# Altium PCB PCB_Kasli.PCBDOC (part 10 of 14) (continued)
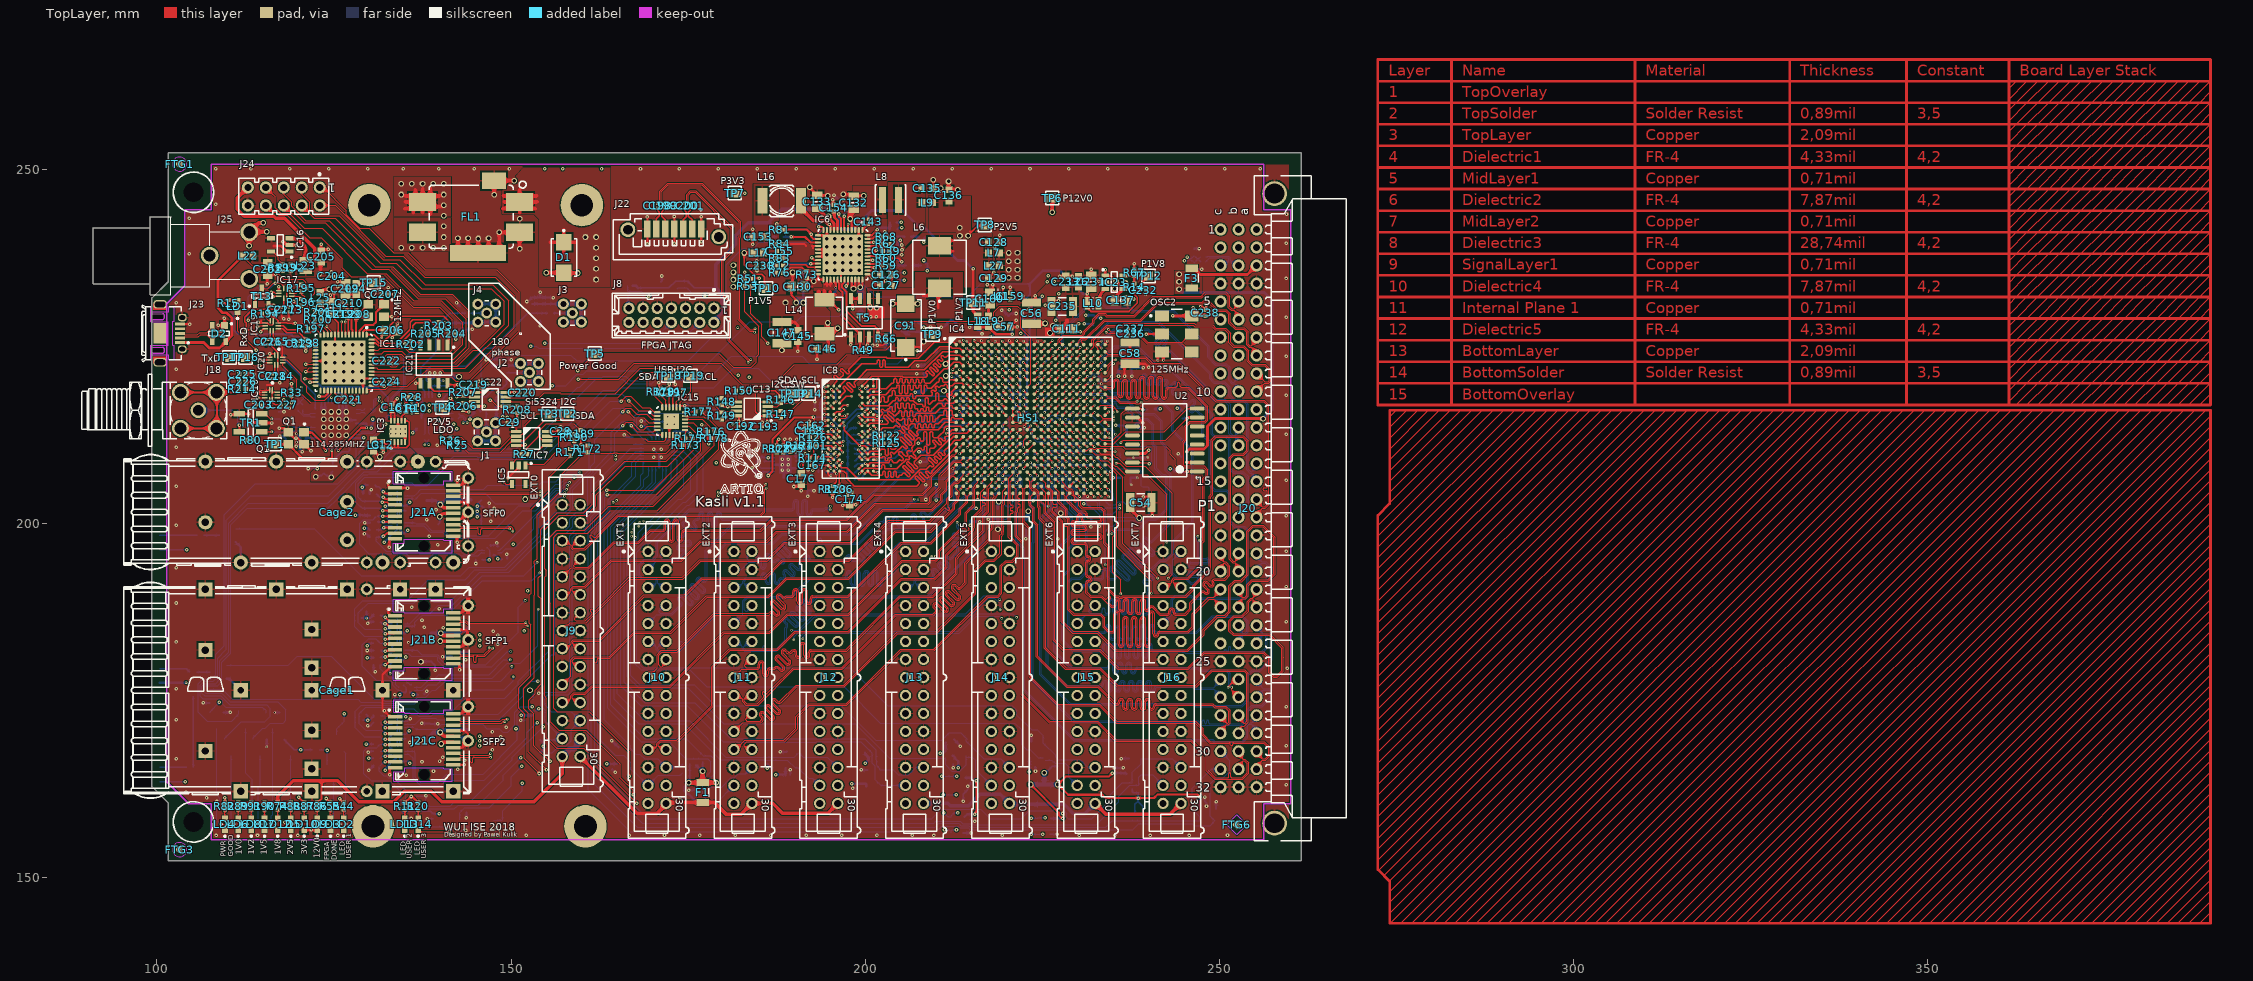
[diagram p0: TopLayer view]
## Nets (pads, with @x,y where several pads share a name; then routed paths per layer and width w, separated by ;. In a path a pad name is that pad's centre, name@x,y a point inside that pad or via, vN(x,y) a via of type N, cw(c..) or ccw(c..) an arc to the next point about the centre after c; other vN are vias at no path point) (continued)
  TopLayer w0.4: v1@117.863,239.837 IC16.2@118.309,239.391
  TopLayer w0.5: FL1.4@142.5,238.294 v3(142.5,240.325) ; FL1.4@143.925,238.294 v3(143.925,240.325) ; FL1.4@145.364,238.255 v3(145.364,240.286) ; FL1.4@146.034,238.925 FL1.4@146.825,238.925 ; FL1.4@146.825,238.294 FL1.4@146.825,238.925 ; v3(146.825,240.325) FL1.4@146.825,238.925 ; v3(147.614,246.486) FL1.4@147.614,248.455 v3(150.47,248.455) ; v3(151.214,238.864) FL1.4@151.214,241.155 v3(148.32,241.155) 148.32,239.12 148.125,238.925 FL1.4@146.825,238.925 ; v3(154.965,235.465) D1.2@157.448,235.465 ; D1.2@157.5,235.413 v3(159.439,235.413) ; v3(211.775,248.35) 211.775,247.241 C136.1@211.836,247.18 v3(213.095,247.18)
  BottomLayer w0.1: C96.1@218.694,200.672 219.922,200.672 220.175,200.925 R47.1@220.175,202.255 ; R48.1@219.65,204.03 219.65,202.78 R47.1@220.175,202.255 ; v2(220.828,203.302) 220.828,202.908 R47.1@220.175,202.255 ; R56.2@221.245,215.1 221.85,215.1 C120.1@222.012,215.263
  BottomLayer w0.11: IC14.25@170.137,210.487 IC14.25@170.675,209.95
  BottomLayer w0.125: C182A.1@141.143,201.669 C182A.1@141.143,201.694 ; C185C.1@141.8,169.85 143.469,169.85 Cage1.20@143.94,169.379 ; C35.1@164.2,165.4 C35.1@164.2,165.45 ; C52.1@166.5,233.625 166.5,232.85 C53.1@166.525,232.825 168.4,232.825 168.644,232.581 J8.11@168.644,230.438 ; 221.65,210.725 221.471,210.725 v2(221.361,210.835) 221.361,211.161 221.888,211.688 222.308,211.688 R54.2@222.895,212.275
  BottomLayer w0.15: IC13B.1@135.2,177.55 135.45,177.55 135.7,177.3 IC13B.3@136,177.3 ; 137.686,161.586 v1(137.986,161.586) IC13C.3@137.986,160.54
  BottomLayer w0.18: v1(165.975,212.55) 166.33,212.195 R152.1@167.275,212.195
  BottomLayer w0.2: R13.1@117.145,215.837 v1(117.938,215.837) ; C13.2@118.193,214.909 v1(119.009,214.909) ; v2@119.7,212.695 v2@119.7,212.717 ; v2(119.7,212.725) v2@119.7,212.717 ; v2@119.808,211.625 120.15,211.625 120.3,211.775 C25.1@120.3,212.117 v2@119.7,212.717 ; v1(121.341,207.817) C26.1@122.07,207.817 122.649,207.817 v1(122.656,207.81) v1@122.685,207.81 ; v1(129.75,171.475) 130.225,171.475 130.25,171.5 130.25,171.614 R212C.1@130.594,171.958 ; v1(129.85,167.75) 129.994,167.894 R213C.1@130.594,167.894 ; C186B.1@133.225,183.9 133.85,183.9 134,183.75 ; C188A.1@133.275,201.875 133.95,201.875 ; C188C.1@133.3,169.625 134,169.625 ; C190B.1@133.6,175.3 v1(133.6,175.9) ; IC12C.1@133.912,168.544 133.912,169.537 134,169.625 ; IC12B.1@133.912,182.768 133.912,183.662 134,183.75 ; IC12A.1@133.913,200.798 133.913,201.838 133.95,201.875 ; IC11C.2@134.3,172.125 134.321,172.104 IC11C.3@135.012,172.104 135.312,172.104 135.567,172.359 ; IC12C.2@134.312,168.594 134.312,169.563 134.25,169.625 ; IC12B.2@134.312,182.818 134.312,183.718 134.25,183.78 ; IC12A.2@134.313,200.848 134.313,201.862 134.3,201.875 ; C3.1@134.375,216.375 C3.1@134.375,216.4 v1(134.375,217.025) ; 134.8,178.3 136.1,178.3 ; C189B.1@134.83,183.78 134.25,183.78 ; C190C.1@134.9,158.45 134.95,158.4 v1(135.9,158.4) ; C189C.1@135.128,169.576 135.079,169.625 134.25,169.625 ; C189A.1@135.175,201.875 134.3,201.875 ; 136.525,161.55 137.575,161.55 ; C191B.1@137.65,175.9 v1(138.1,176.35) ; v1(138.15,158.35) C191C.1@139,158.35 ; v1(138.5,221.3) 138.5,220.746 C15.1@138.862,220.384 139.136,220.658 v1@139.136,221.119 ; C184C.1@138.525,171.825 C184C.1@138.6,171.75 ; v1(140,221.3) 139.975,221.275 139.975,220.9 139.846,220.771 C18.1@139.846,220.234 139.88,220.2 v2(140.4,220.2) ; R8.2@140.894,216.721 141.115,216.5 v1(141.75,216.5) ; C17.1@141.55,213.075 142,213.075 v1(142.35,213.425) ; v1(145,194.4) 145,194.95 C190A.1@145.05,195 ; C181A.1@146.908,202.184 v1(146.908,202.908) ; IC13A.1@147,196.95 147.35,196.95 IC13A.2@147.4,197 147.7,197 v1(148,197.3) ; T12.2@147.55,156.25 147.9,156.6 v1(147.9,157.1) R23.1@148.67,157.1 ; IC13A.3@148.1,196.7 v1@148.1,197.2 ; v1(148.325,220.35) 148.325,219.705 R18.2@148.33,219.7 ; v1(149.4,195.7) 149.4,195.15 C191A.1@149.55,195 ; v1(151.35,172.25) C42.1@152,172.25 ; D3.1@153.05,175.15 D3.1@153.05,175.25 ; D3.1@153.1,175.425 153.1,176 ; C35.1@164.2,165.4 v1(164.7,164.9) ; v1(168.4,214.525) 168.959,214.525 C196.1@169.042,214.442 ; R154.1@170.058,214.442 171.683,214.442 v5(172.075,214.05) ; v1(173.85,161.35) C36.1@174.5,161.35 ; v1(183.75,209.6) C172.1@184.525,209.6 v1(184.525,210.5) ; v1(184.025,207.925) C177.1@184.65,207.3 v1(184.65,206.7) ; C37.1@189.45,164.5 v1(189.45,165.25) ; v1(192.9,216.1) 192.9,216.6 192.925,216.625 C169.1@192.9,216.65 v1(192.9,217.25) ; v2(196.01,219.061) 196.01,219.058 C164.1@196.539,218.529 ; v1(198.25,162.65) C39.1@198.9,162.65 ; C165.1@200.743,216.843 v2(200.743,217.425) ; C166.1@201.325,218.7 v2@202.121,218.7 ; v2(201.649,209.049) 201.873,208.825 C171.1@202.4,208.825 203.025,208.825 v2(203.65,208.2) ; C170.1@202.35,212.75 v2@202.71,213.11 ; v2(211.625,213.325) 211.635,213.315 212.135,213.315 C84.1@212.15,213.3 ; v2(212.225,220.8) 212.425,220.8 C64.1@212.8,220.425 ; v1(212.45,165.55) C40.1@212.45,166.1 ; v1(213.85,160.85) D12.1@213.85,161.8 213.85,161.85 214.5,162.5 v1(214.5,162.95) C32.1@215,163.45 ; v2(214.372,211.815) 214.862,211.325 C88.1@215.025,211.325 ; v2@214.372,224.815 214.887,224.3 C115.1@214.975,224.3 ; v2(214.372,225.815) 214.372,225.753 214.725,225.4 C113.1@215.025,225.4 ; v2(215.372,208.815) 215.862,208.325 C90.1@216.025,208.325 ; v2(216.372,205.815) 216.585,205.815 C74.1@217.075,205.325 ; v2(216.372,221.815) 216.565,221.815 C125.1@217.05,222.3 ; v2(217.372,223.815) 217.623,223.815 C116.1@218.09,224.282 ; C123.1@218.05,220.3 218.05,220.225 218.411,219.864 v2(218.411,219.761) ; v2(218.372,213.815) 218.497,213.815 C105.1@219,214.318 ; v2(218.372,216.815) 218.585,216.815 C102.1@219.075,216.325 ; v2(218.375,218.775) 218.375,218.925 C83.1@218.725,219.275 ; C106.1@219.05,213.3 219.35,213 v2(219.35,212.815) ; C97.1@219.05,223.3 219.412,222.938 v2(219.412,222.775) ; C95.1@219.075,218.3 219.372,218.003 v2(219.372,217.815) ; C102.1@219.146,216.325 219.325,216.146 219.325,215.862 v2(219.372,215.815) ; C108.1@219.15,210.3 219.372,210.522 v2(219.372,210.815) ; v2(219.405,206.807) 219.423,206.825 C62.1@220.525,206.825 ; C112.1@220.025,225.325 220.05,225.325 220.15,225.425 220.15,225.65 v2@220.25,225.75 ; C100.1@220.05,220.325 220.372,220.003 v2(220.372,219.815) ; C124.1@220.05,222.3 220.05,221.972 v2(220.361,221.661) ; C104.1@220.051,219.304 220.436,218.919 220.411,218.894 v2(220.411,218.761) ; C103.1@220.198,212.293 220.35,212.141 220.35,211.837 v2(220.372,211.815) ; v2(220.336,209.835) 220.392,209.835 220.857,210.3 C107.1@221.025,210.3 ; C114.1@221.025,224.3 221.346,223.979 221.346,223.754 v2(221.375,223.725) ; C120.1@222.012,215.263 222.4,214.875 v2@222.4,214.775 ; C98.1@222.154,211.328 222.179,211.328 222.229,211.278 222.229,210.956 222.361,210.824 v2(222.361,210.81) ; C99.1@222.325,213.3 222.45,213.425 v2@222.45,213.757 ; v2(222.372,209.815) 222.407,209.85 C65.1@223.075,209.85 ; v2(222.372,216.815) v2@222.535,216.815 ; C121.1@222.875,217.025 222.665,216.815 v2@222.535,216.815 ; C122.1@222.9,216.45 v2@222.535,216.815 ; v1(224.05,165.05) C41.1@224.05,165.8 ; v2(224.35,219.8) 224.55,219.8 C117.1@224.85,220.1 ; v2(224.372,217.815) 224.657,218.1 224.95,218.1 C69.1@225.125,218.275 ; v2(224.372,221.815) 224.565,221.815 C73.1@224.875,222.125 ; v2(224.384,205.765) 224.885,205.765 C63.1@225.125,205.525 ; v2(225.35,215.75) 225.35,215.925 C55.1@225.725,216.3 ; v2(225.372,211.815) 225.372,211.972 C118.1@225.725,212.325 ; v2(225.372,222.815) C61.1@225.9,223.343 ; C119.1@225.7,213.375 225.775,213.45 225.775,213.775 226,214 ; D11.1@226.05,156.15 v1(227.15,156.15) ; 226.165,213.815 v2(226.372,213.815) ; C79.1@226.925,214.975 227.275,214.975 v2(227.45,214.8) ; C33.1@227.2,159.1 v1(227.9,159.1) ; 228.3,223.5 228.575,223.5 ; v2(228.325,214.75) 228.8,214.75 C70.1@228.85,214.7 ; v2@228.55,212.722 228.922,212.35 C78.1@229.025,212.35 ; 228.556,223.631 228.837,223.35 C68.1@228.975,223.35 ; 228.575,223.65 228.575,224 ; v2(229.372,209.815) 229.862,209.325 C75.1@230.025,209.325 ; C89.1@232.71,220.29 232.846,220.29 v2(233.35,219.786) ; 233.175,219.725 233.175,219.95 ; R43.1@236.944,209.042 237.081,209.179 237.684,209.179 237.811,209.306 v2(237.825,209.306) C229.1@239.416,209.306 ; C229.1@239.522,209.2 239.742,209.42 v2(239.927,209.42) v2@239.927,209.502 ; v1(244.225,209.875) C161.1@244.7,209.4 ; v1(247.95,161.427) C31.1@247.95,160.8 248.2,160.55 v1(248.2,160.1) ; 133.95,201.875 134.3,201.875 ; 134,169.625 134.25,169.625 ; 134,183.75 134.03,183.78 134.25,183.78
  BottomLayer w0.21: 228.55,212.425 228.55,212.722 228.55,212.975
  BottomLayer w0.25: R85.1@204.432,237.49 204.432,237.47 204.829,237.073 205.102,237.073 v1(205.15,237.025) ; R72.1@204.466,242.604 R72.1@204.432,242.57 v1(205.095,242.57) ; v1(204.975,240.025) 204.915,240.025 C156.1@204.412,239.522 204.586,239.348 205.148,239.348 v1(205.175,239.375) ; v1(205.15,238) 204.918,238 C157.1@204.412,238.506 204.514,238.608 205.133,238.608 v1(205.2,238.675) ; v1(208.25,239.75) 208.298,239.798 208.298,240.36 C142.1@208.476,240.538 ; v1@208.285,237.147 C138.1@208.788,236.644
  BottomLayer w0.3: v1(106.525,174.725) T11C.2@107.425,174.725 ; T6.2@109.408,173.362 110.312,173.362 v1(110.325,173.375) ; T11B.2@109.862,178.12 110.224,178.12 Cage1.25@111.84,176.504 ; T11A.2@111.132,197.424 111.84,196.716 Cage2.7@111.84,194.538 ; v2(115.504,168.504) T9.2@115.504,169.552 ; v2(116.612,173.362) T15.2@117.282,173.362 ; v1(117.345,212.401) 117.797,212.401 C9.1@118.193,212.004 ; v1(117.99,221.36) T1.2@117.99,222.062 ; v1(119.675,210.975) 119.8,211.1 C23.1@120.2,211.1 ; C23.1@120.3,211.1 C23.1@120.2,211.1 ; v1(120.5,210.2) 120.491,210.2 120.2,210.491 C23.1@120.2,211.1 ; IC2.37@123.222,216.149 IC2.19@123.222,217.049 ; IC2.8@123.722,211.249 IC2.37@123.722,212.649 ; IC2.37@123.722,215.649 IC2.20@123.722,217.049 ; R17.1@125.22,218.475 126,218.475 126.139,218.336 v1(126.139,217.983) 126.15,217.994 126.15,218 126.153,217.997 126.222,217.928 IC2.25@126.222,217.049 IC2.37@126.222,215.149 ; IC2.24@125.722,217.049 125.722,214.649 IC2.31@128.122,214.649 ; IC2.37@126.722,215.649 IC2.26@126.722,217.049 ; IC2.37@127.222,212.149 IC2.36@128.122,212.149 v1(129.226,212.149) ; v1(129.3,198.625) 129.539,198.625 R130A.1@130.044,198.12 ; v1(129.327,200.152) R213A.1@130.044,200.152 ; v1(129.718,182.118) R213B.1@130.594,182.118 ; v1@129.75,186 129.925,186.175 R212B.1@130.555,186.175 ; v1(129.932,165.2) R130C.1@130.594,165.862 ; R212A.1@130.044,204.216 130.044,204.598 v1(130.25,204.804) ; v1(130.25,213.525) 130.25,213.901 C24.1@130.498,214.149 v1(130.498,214.798) ; R130B.1@130.594,180.086 130.594,179.306 v1(130.8,179.1) ; v1@134.375,215.805 C3.1@134.375,216.375 ; v1(136.125,212.841) R4.2@136.741,213.457 ; v3(137.275,180.55) C179B.1@138.725,180.55 139.275,180 v1(139.275,179.325) ; IC1.16@137.35,214.928 137.35,215.628 v5(137.719,215.997) IC1.17@138.1,216.378 v5(137.719,216.759) 137.35,217.128 IC1.5@137.35,217.828 ; v1(137.4,171.825) C184C.1@138.525,171.825 ; C184C.1@138.6,171.75 v1(139.65,171.75) ; R6.2@139.459,213.457 139.816,213.1 v1(140.05,213.1) ; v1(140.325,181.25) 140.335,181.26 C183B.1@140.97,181.26 C182B.1@141.732,181.26 ; v1@140.6,227.545 v1(140.6,227.6) 140.74,227.459 C194.1@141.606,227.459 141.608,227.457 142.603,227.457 142.606,227.459 C195.1@143.606,227.459 144.459,227.459 v1(144.5,227.5) ; R7.2@140.894,213.827 R7.2@140.894,213.876 v1@141.776,213.876 ; v1@141.777,213.875 141.925,214.022 v1(141.925,214.05) ; v1(142.3,231.195) R24.2@142.781,230.714 ; R32.1@142.606,227.454 142.662,227.398 142.662,226.892 142.906,226.649 v1(142.906,226.594) ; T2.2@142.753,156.312 143.141,156.7 v1(143.6,156.7) ; v1(143.695,158.495) R19.1@143.695,159.225 ; v1(144.2,214.8) 144.2,215.1 144.8,215.7 R16.2@144.8,215.83 ; v1(146.5,223.2) 147.249,223.2 C46.1@147.299,223.25 ; C46.1@147.299,223.25 C47.1@149.3,223.25 149.35,223.2 v1(150,223.2) ; v1(148.095,218.611) 148.198,218.611 148.85,217.958 C43.1@148.85,217.901 C44.1@148.85,215.9 v1(148.85,215.15) ; R30.1@148.3,223.27 v1(148.3,224.1) ; v1(152.2,231.4) 152.391,231.4 152.942,231.95 C48.1@152.999,231.95 C144.1@155.2,231.95 v1(155.95,231.95) ; v1@154.1,228.05 R21.2@154.1,228.73 ; R31.1@154.099,231.97 v1(154.1,232.7) ; v1(164.2,169.4) D4.1@165.15,168.45 ; IC14.9@170.925,208 IC14.25@170.925,209.7 ; T14.2@171.15,234.15 171.3,234.3 v1(171.3,235) ; v1(175.1,162.4) 175.8,162.4 D5.1@176.25,162.85 ; v1(183.058,240.5) C152.1@184.074,240.5 ; v1(186.75,237) 187,237 R77.1@187.49,237.49 ; IC9.8@187.225,208.35 v1(188.325,208.35) IC9.11@188.725,208.35 ; v1(188,167.8) 188.9,167.8 D6.1@188.95,167.85 ; IC9.11@189.225,207.85 IC9.4@190.225,207.85 ; v3(190.75,235.5) 190.75,235 191,234.75 191,233.826 191.4,233.426 191.25,233.276 v3(191.25,231.25) ; v1(191.875,203.9) C173.1@191.875,204.7 v1(192.775,204.7) ; v1(195.6,246.425) 195.6,246.4 195.975,246.025 196.045,246.025 196.045,246.023 196.26,245.808 196.871,245.808 v1(196.91,245.77) ; R93.1@198.12,245.072 198.13,245.062 v1(199.51,245.062) v1@199.497,245.075 ; v1(199.45,165.25) D7.1@200.35,165.25 ; v2(201.617,210.649) 202.15,211.182 C163.1@202.15,211.275 ; v2@202.121,218.7 v2(202.16,218.661) ; C170.1@202.325,212.75 C170.1@202.35,212.75 ; R65.1@204.432,234.442 204.466,234.408 205.466,234.408 v1(205.5,234.374) ; v1(206.1,227.75) 206.975,228.625 207.038,228.562 207.462,228.562 v1(208.275,227.75) ; v1(207.375,224.45) 208.378,224.45 C81.1@208.546,224.282 ; v1(207.45,222.35) 208.3,222.35 C60.1@208.45,222.5 ; v1(207.475,211.4) 207.856,211.4 C110.1@208.546,212.09 ; v1(207.6,210.175) 207.737,210.312 C92.1@208.396,210.312 C92.1@208.546,210.312 ; v1(207.635,217.436) 208.28,217.436 C93.1@208.546,217.17 ; v1(207.8,208.75) 208.75,208.75 C110.1@208.75,211.75 ; v1@208.285,237.147 v1(208.285,237.187) ; v1(208.546,203.441) v1(208.546,205.499) ; v1(208.788,235.737) C138.1@208.788,236.474 ; v1(210.75,227.775) 211.075,227.775 212.026,228.726 212.14,228.84 212.28,228.699 212.426,228.699 213.35,227.775 v1(213.725,227.775) ; v2(212.35,217.8) 212.35,217.941 212.699,218.29 213.085,218.29 C85.1@213.1,218.275 ; D8.1@212.575,169.55 213.4,168.725 v1(213.4,168.6) ; D13.1@213.85,156.35 v1(214.95,156.35) ; v1@214.75,227.75 v1(214.75,227.775) 214.775,227.75 C148.1@215.625,227.75 216.498,226.877 v1(216.498,226.813) v1@216.485,226.8 ; v1(214.832,199.814) 214.832,200.46 ccw(c215.158,200.785) 215.158,200.325 v1(216.175,200.325) ; C34.1@214.9,158.25 215.15,158 v1(215.5,158) ; v1@217.3,200.65 cw(c217.353,200.597) v1(217.353,200.672) 218.694,200.672 218.694,200.522 218.75,200.466 C96.1@218.75,200.35 v3(218.75,199.25) ; v1(219.3,230.175) 219.4,230.175 220.2,229.375 C101.1@220.3,229.375 220.625,229.7 v1(221.325,229.7) ; v2(222.352,207.797) v2@222.39,207.797 ; v1(222.7,197.9) C59.1@222.7,199.208 ; v1(223.125,230.275) 224.025,231.175 L5.1@224.025,231.3 224.15,231.3 v1(225,232.15) ; D9.1@223.45,169.25 v1(223.45,170.15) ; v1(223.75,203.25) 223.75,203.475 224.775,204.5 C87.1@225,204.5 ; v1@224.025,232.175 v1(224.036,232.186) v1@224.025,232.197 ; C87.1@224.384,204.991 v2(224.384,205.765) ; C87.1@225.125,204.768 C63.1@225.125,205.525 ; v1(226.9,228.775) C149.1@227.7,229.575 227.2,230.075 v1(227.2,230.55) ; 230.116,206.809 230.378,206.809 230.728,206.459 C80.1@230.728,206.324 ; v1(231.175,229.45) 232.275,229.45 232.575,229.15 v1@233.173,229.15 ; C66.1@231.85,200.35 C66.1@231.886,200.35 ; v1(231.886,199.61) C66.1@231.886,200.35 ; C66.1@231.95,200.675 231.886,200.611 C66.1@231.886,200.35 ; v1(233.05,199.675) v1@233.05,199.7 ; R2.1@233.909,200.436 233.173,199.7 v1@233.05,199.7 ; v2(234.372,204.815) 234.951,204.236 R211.1@234.951,203.208 ; v1(235.15,165.55) C30.1@235.8,165.55 v1(236.45,165.55) ; v1(236.15,166.85) D10.1@237.25,166.85 ; v2(237.55,205.5) 237.478,205.572 237.478,206.502 C76.1@237.628,206.502 v2(238.423,206.502) ; v1(237.675,220.825) 237.625,220.875 237.625,222.05 C77.1@237.775,222.05 v1(239.25,222.05) ; C67.1@237.968,213.868 238.375,214.275 v1(239.2,214.275) ; C67.1@238.1,213.875 238.425,213.55 v1(239.4,213.55) ; R39.1@246.45,235.93 v1(247.53,235.93) ; R38.1@246.45,238.82 246.505,238.875 v1(247.2,238.875) ; D14.1@249.55,159.75 v1(249.55,160.75) ; C66.1@231.886,200.35 232.4,200.35 v1@233.05,199.7
  BottomLayer w0.4: v1(199,229.225) 199,229.83 C131.1@199.4,230.23 ; C131.1@199.39,230.24 C131.1@199.4,230.23 ; v1(199.775,229.225) 199.775,229.855 C131.1@199.4,230.23
  BottomLayer w0.5: v1(207.085,218.611) 208.187,218.611 208.198,218.6 C82.1@208.546,218.948 ; C240.1@208.25,221.2 C240.1@208.45,221
  other v1: 136.8,155.9 108.4,156 114.2,156 119.9,156 125.5,156 141.8,156 146.5,156 152.166,156.019 166.666,156.019 171.666,156.019 176.666,156.019 181.666,156.019 186.666,156.019 191.666,156.019 196.666,156.019 201.666,156.019 206.666,156.019 209.7,156 230.25,156 235.25,156 240.25,156 245.75,156 251.166,156.019 219.344,156.05 108.425,160.8 107,161.3 104.1,162.1 259.481,163.149 134.1,164.525 135.175,164.525 139.05,165.075 142.5,165.325 137.425,166.4 139.9,166.45 143.45,166.625 102.744,166.821 140.35,167.025 147.375,168.125 259.481,168.649 148.675,168.9 135.675,169.125 148.55,169.925 147.375,170.625 149.35,171.275 102.744,172.321 135.775,172.5 132.125,173.625 259.481,174.149 153.9,176.1 102.7,176.7 134.125,178.75 259.6,179.6 143.625,180.8 148.15,183 102.744,183.321 148.15,183.7 148.1,184.3 147.475,184.825 140.425,185.3 137.75,185.425 129.771,185.978 259.481,186.149 137.425,186.375 139.875,188 136,188.25 102.744,188.821 259.481,191.149 102.744,193.821 259.481,196.149 139.65,197.025 227.2,197.9 138.475,198.275 102.744,199.821 147.125,200.35 138.075,200.55 259.481,201.149 147.825,201.325 136.975,201.825 139.4,202 147.65,202.225 102.744,205.321 259.481,206.149 188.325,207.6 189.125,207.6 189.125,208.35 188.325,209.1 189.15,209.1 102.744,210.821 119.633,212.117 259.481,212.649 134.386,215.794 259.481,218.149 207.3,221.2 139.2,221.3 102.744,221.821 259.481,223.649 154.1,228 233.286,229.036 259.481,229.149 126.375,230.65 125.625,230.675 102.7,231.2 227.325,232.5 259.481,234.649 104.544,238.157 259.481,239.649 117.781,239.837 104.544,243.157 259.5,243.7 108.276,245.131 108.276,250.131 113.276,250.131 118.776,250.131 124.276,250.131 129.776,250.131 134.776,250.131 139.776,250.131 144.776,250.131 149.776,250.131 154.776,250.131 157.276,250.131 162.776,250.131 168.276,250.131 173.776,250.131 179.276,250.131 184.776,250.131 190.276,250.131 195.776,250.131 201.276,250.131 206.776,250.131 212.276,250.131 217.776,250.131 223.276,250.131 228.776,250.131 234.276,250.131 239.776,250.131 245.276,250.131 250.776,250.131 255.776,250.131
  other v2: 135.5,183.25 119.708,211.525 202.76,213.11 222.4,214.75 222.322,221.815 214.472,222.815 214.272,224.815
  other v3: 137.2,169.45 227.636,201.514 151.214,243.061
  other v4: 123.571,212.498 124.629,212.498 125.688,212.498 126.746,212.498 123.571,213.641 124.587,213.641 125.73,213.641 126.746,213.641 123.571,214.784 124.629,214.784 125.688,214.784 126.746,214.784 123.571,215.8 124.629,215.8 125.688,215.8 126.746,215.8 123.825,220.218 125.095,220.218 126.365,220.218 127.635,220.218 128.905,220.218 123.825,221.488 125.095,221.488 126.365,221.488 127.635,221.488 128.905,221.488 123.825,222.758 125.095,222.758 126.365,222.758 127.635,222.758 128.905,222.758 123.825,224.028 125.095,224.028 126.365,224.028 127.635,224.028 128.905,224.028 123.825,225.298 125.095,225.298 126.365,225.298 127.635,225.298 128.905,225.298 194.564,235.712 195.707,235.839 196.85,235.839 197.993,235.839 199.136,235.839 194.564,236.855 195.707,236.855 196.85,236.855 197.993,236.855 199.136,236.855 194.564,237.998 195.707,237.998 197.993,237.998 199.136,237.998 194.564,239.141 195.707,239.141 196.85,239.141 197.993,239.141 199.136,239.141 194.564,240.284 195.707,240.284 196.85,240.284 197.993,240.284 199.136,240.284
  other v5: 170.175,209.375 171.225,209.4 170.175,210.525 171.225,210.525 133.029,212.72 133.706,212.72 134.384,212.72 135.061,212.72 133.029,213.398 133.706,213.398 134.384,213.398 135.061,213.398 173.05,214.075 172.1,215.125 173.05,215.125 138.481,215.997 138.481,216.759
I2C_3V3_SCL: IC13.7 IC14.19 IC15.19 IC22.7 R149.1 TP19.1 | length 54.1
  TopLayer w0.125: IC22.7@149.245,217.912 149.332,217.825 153.975,217.825 154.683,218.533 156.912,218.533 157.044,218.4 164.725,218.4 168.275,221.95 174.25,221.95 175.35,220.85 175.35,218.694 173.856,217.2 IC15.19@173.856,216.451 ; IC15.19@173.875,216.65 178.818,216.65 R149.1@179.769,215.699 179.99,215.92 IC13.7@181.833,215.92
  BottomLayer w0.125: IC14.19@169.425,211.9 168.725,211.9 167.425,213.2 167.425,215.2 168.1,215.875 170.75,215.875 171.55,216.675 v1(174.5,216.675)
I2C_3V3_SDA: IC13.6 IC14.20 IC15.20 IC22.6 R148.1 TP18.1 | length 54.8
  TopLayer w0.09: IC15.20@173.356,216.19 IC15.20@173.356,216.451
  TopLayer w0.125: IC22.6@149.245,217.262 153.975,217.262 154.321,217.608 156.912,217.608 157.141,217.837 165.087,217.837 168.65,221.4 173.2,221.4 174.2,220.4 174.2,218.05 173.356,217.206 IC15.20@173.356,216.451 ; R148.1@179.769,216.791 179.99,216.57 v1(180.625,216.57) IC13.6@181.833,216.57
  BottomLayer w0.125: IC14.20@169.925,211.9 169.925,212.175 169.188,212.913 168.362,212.913 167.75,213.525 167.75,214.9 168.375,215.525 171.05,215.525 171.113,215.588 175,215.588 175.625,216.212 ; v1(174.225,218.675) 174.225,217.612 175.625,216.212 ; v1(180.625,216.57) 179.52,216.57 179.162,216.212 175.625,216.212
I2C_SCL_0: D3.3 IC14.17 J9.27 R156.1 | length 54.2
  BottomLayer w0.125: R156.1@155.242,169.672 R156.1@155.07,169.5 157.054,169.5 J9.27@157.204,169.65 ; J9.27@157.226,169.672 154.75,172.148 D3.3@154.75,172.85 154.798,172.898 154.798,173.7 154.2,174.304 154.2,175.614 154.786,176.2 157.7,176.2 158.3,176.8 158.3,198.305 159.084,199.09 160.206,199.09 160.829,199.712 160.829,201.079 161.85,202.1 161.85,205.65 166.9,210.7 IC14.17@168.725,210.7
I2C_SCL_1: D4.3 IC14.13 J10.27 R158.1 | length 57.4
  BottomLayer w0.125: IC14.13@168.725,208.7 168.663,208.762 168.663,207.188 168.325,206.85 168.325,205.476 162.72,199.871 162.72,169.28 164.7,167.3 165.9,167.3 166.85,166.35 D4.3@166.85,166.15 166.85,165.564 166.85,165.425 167.275,165 167.414,165 J10.27@169.346,163.068 170.753,164.475 173.88,164.475 R158.1@174.23,164.825
I2C_SCL_2: D5.3 IC14.11 J11.27 R160.1 | length 65.8
  BottomLayer w0.125: IC14.11@169.925,208 169.925,205.86 163.643,199.577 163.643,173.982 168.414,169.211 172.326,169.211 174.686,166.85 177.75,166.85 178.213,166.387 178.213,165.012 177.1,163.9 177.1,161.6 D5.3@177.95,160.75 ; D5.3@177.95,160.55 178.947,160.55 J11.27@181.465,163.068 J11.27@181.032,163.068
I2C_SCL_3: D6.3 IC14.8 J12.27 R162.1 | length 69.7
  BottomLayer w0.125: IC14.8@171.425,208 171.425,206.335 164.565,199.475 164.565,175.235 168.049,171.751 174.44,171.751 179.52,166.671 185.805,166.671 185.825,166.65 189,166.65 190.1,165.55 D6.3@190.65,165.55 190.65,165.45 192,164.1 192.552,164.1 J12.27@193.584,163.068
I2C_SCL_4: D7.3 IC14.6 J13.27 R164.1 | length 82.6
  BottomLayer w0.125: IC14.6@172.625,208.7 172.625,206.233 165.488,199.096 165.488,177.137 168.325,174.3 174.9,174.3 179.988,169.213 ; 179.986,169.211 181.905,169.211 181.953,169.162 183.517,169.162 183.565,169.211 184.445,169.211 184.493,169.162 193.096,169.162 193.144,169.211 199.409,169.211 R164.1@200.92,167.7 200.996,167.624 200.996,166.204 201.4,165.8 201.4,163.836 202.168,163.068 J13.27@205.704,163.068
I2C_SCL_5: D8.3 IC14.4 J14.27 R166.1 | length 97.7
  BottomLayer w0.125: IC14.4@172.625,209.7 173.675,209.7 174.4,208.975 174.4,205.175 167.938,198.713 167.938,197.939 167.661,197.662 167.403,197.662 166.41,196.67 166.41,178.431 168.01,176.831 174.919,176.831 179.999,171.751 198.573,171.751 203.449,166.875 R166.1@211.35,166.875 ; R166.1@211.35,166.98 R166.1@211.35,166.875 ; D8.3@214.275,167.25 D8.3@214.275,167.05 ; J14.27@217.823,163.068 215.6,165.291 215.6,166.6 215.15,167.05 D8.3@214.275,167.05 ; R166.1@211.35,166.875 211.35,165.996 212.258,165.088 213.388,165.088 214.275,165.975 D8.3@214.275,167.05
I2C_SCL_6: D9.3 IC14.2 J15.27 R168.1 | length 108.5
  BottomLayer w0.125: IC14.2@172.625,210.7 174.925,210.7 176.275,209.35 176.275,204.65 174.7,203.075 174.34,203.075 167.333,196.067 167.333,180.392 168.354,179.371 175.245,179.371 177.615,177 197.015,177 202.14,171.875 221.136,171.875 222.1,170.911 222.1,168.8 222.8,168.1 223.325,168.1 224.475,166.95 D9.3@225.15,166.95 ; 225.455,166.645 R168.1@226.375,166.645 ; R168.1@226.37,166.64 226.811,166.2 228.25,166.2 228.775,165.675 228.775,164.236 J15.27@229.943,163.068
I2C_SCL_7: D10.3 IC14.15 J16.27 R170.1 | length 136.5
  BottomLayer w0.125: IC14.15@168.725,209.7 168.075,209.7 167.025,208.65 167.025,206.701 163.725,203.401 163.725,201.95 162.1,200.325 162.1,199.025 161.798,198.723 161.798,164.452 168.5,157.75 209.75,157.75 209.999,157.999 212.513,157.999 212.514,158 213.4,158 213.776,157.624 215.222,157.624 215.308,157.538 232.613,157.538 235.8,160.725 235.8,161.525 237.343,163.068 238.65,163.068 238.65,164.25 D10.3@238.95,164.55 240.58,164.55 J16.27@242.062,163.068
I2C_SCL_8: D11.3 IC15.11 J20.c10 R172.1 | length 235.7
  TopLayer w0.125: v1@154.95,165.35 152.45,167.85 152.45,173.25 151.8,173.9 151.8,176.8 153.288,178.288 153.288,189.953 153.35,190.015 153.35,194.327 153.287,194.389 153.287,194.711 153.675,195.098 153.675,201.25 157.075,204.65 157.075,206.925 160.15,210 164.564,210 164.589,210.025 164.911,210.025 164.936,210 171.942,210 173.356,211.414 IC15.11@173.356,212.551
  MidLayer2 w0.125: v1(155,165.25) 158.871,165.25 160.008,164.112 160.688,164.112 167.275,157.525 209.675,157.525 210.9,156.3 213.7,156.3 214.925,157.525 222.525,157.525 v1(223.45,158.45) ; v1(225.4,158.5) 226.375,157.525 251.9,157.525 257.55,163.175 257.55,216.1 256.2,217.45 251.434,217.45 J20.c10@250.19,218.694
  BottomLayer w0.125: v1(223.45,158.45) D11.3@224.35,158.45 224.4,158.5 v1(225.4,158.5)